# Altium PCB Aixcel_Tiny_Recon_Board.PcbDoc (part 1 of 2) (continued)
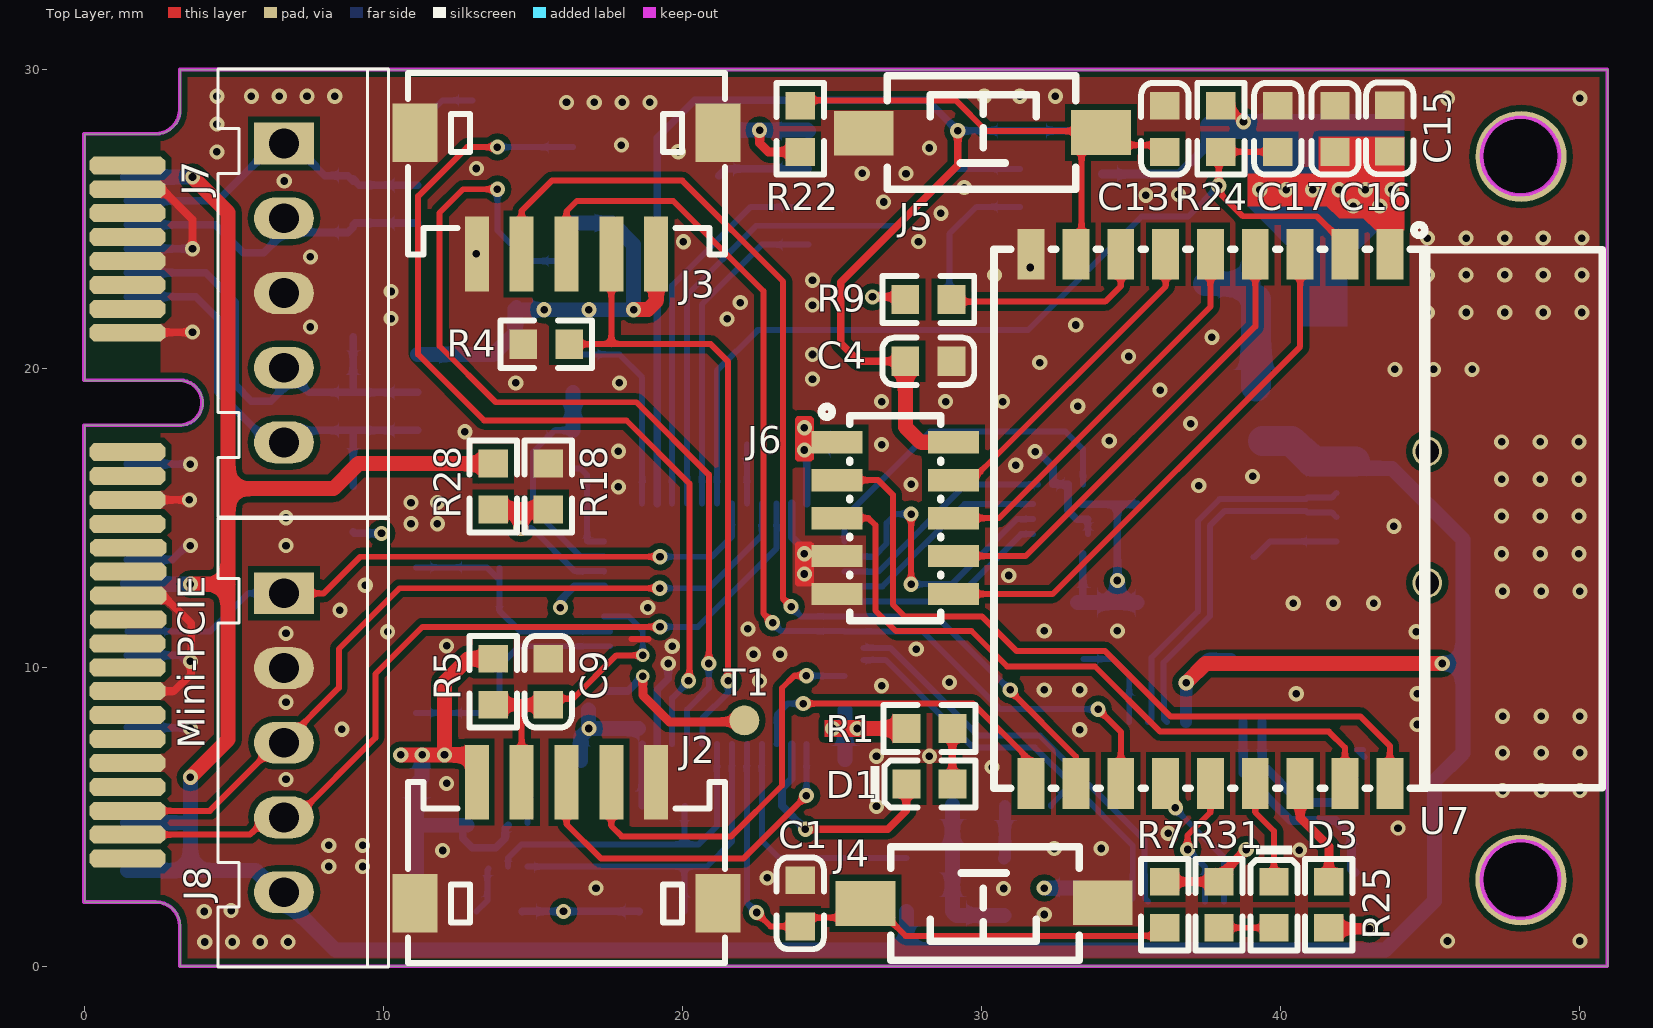
[diagram p0: Top Layer view]
## Components (designator, comment, footprint, x,y, rotation, side; value= is the part's Value field where it differs from the comment) (continued)
Y1 "8MHz" SMD-5032_2P 13.804,10.948 r90 bottom

## Footprints (in the part's own frame and the unit in brackets; to place one, negate y for a bottom-side part, rotate by r counter-clockwise, add the part's x,y. Pads: shape width x height; smd on the part's side, far side on the other; paste and mask are expansions set on the pad)
1.27mm_2_5排母 [mm]
  rect 0.75x1.7 smd: 1(-2.54,-2.006) 2(-2.54,1.894) 3(-1.27,-2.006) 4(-1.27,1.894) 5(0,-2.006) 6(0,1.894) 7(1.27,-2.006) 8(1.27,1.894) 9(2.54,-2.006) 10(2.54,1.894)
  silkscreen extent -3.74,-2.52 3.43,1.47, body extent -3.36,-2.36 3.37,2.14, height 2.17
2.54XH接插件5P [mm]
  rect 1.4x2 hole 1: 1(-5,0)
  oval 1.4x2 hole 1: 2(-2.5,0) 3(0,0) 4(2.5,0) 5(5,0)
  silkscreen extent -7.5,-2.2 7.5,3.5, body extent -7.5,-2.25 7.5,3.45, height 7
12MHz [mm]
  rect 1.9x2.4 smd: 1(-2.078,0.081) 2(2.022,0.081)
  silkscreen extent -3.35,-1.77 3.3,1.93
0603_C [mm]
  rect 0.93x0.98 smd: 1(-0.77,0) 2(0.77,0)
  silkscreen extent -1.53,-0.79 1.54,0.79, body extent -0.8,-0.4 0.8,0.4, height 0.3
0603_LED_S1 [mm]
  rect 0.93x0.98 smd: A(0.77,0) K(-0.77,0)
  silkscreen extent -1.97,-0.79 1.54,0.79, body extent -0.8,-0.4 0.8,0.4, height 0.6
0603_R [mm]
  rect 0.93x0.98 smd: 1(-0.77,0) 2(0.77,0)
  silkscreen extent -1.53,-0.79 1.54,0.79, body extent -0.85,-0.4 0.85,0.4, height 0.56
0805_L [mm]
  rect 1.16x1.47 smd: 1(-0.89,0) 2(0.89,0)
  silkscreen extent -1.77,-1.04 1.77,1.03, body extent -1,-0.64 1,0.64, height 0.6
CHECK-C [mm]
  round 1 smd: 1(0,0)
GD25Q127CSIG [mm]
  rect 1.65x0.65 smd: 1(-3.6,1.905) 2(-3.6,0.635) 3(-3.6,-0.635) 4(-3.6,-1.905) 5(3.6,-1.905) 6(3.6,-0.635) 7(3.6,0.635) 8(3.6,1.905)
  silkscreen extent -4.43,-2.62 2.42,2.62, body extent -3.95,-2.62 3.95,2.62, height 2.16
LGA-14(2.5X3X0.86) [mm]
  rect 0.475x0.25 smd: 1(-1.162,0.75) 2(-1.162,0.25) 3(-1.162,-0.25) 4(-1.162,-0.75) 8(1.162,-0.75) 9(1.162,-0.25) 10(1.162,0.25) 11(1.162,0.75)
  rect 0.25x0.475 smd: 5(-0.5,-0.913) 6(0,-0.913) 7(0.5,-0.913) 12(0.5,0.913) 13(0,0.913) 14(-0.5,0.913)
  silkscreen extent -1.93,0.95 -1.88,1.01
PCBComponent_1 [mm]
  oct 0.6x2.55 smd mask+0: 1(3.225,-2.168) 3(4.025,-2.168) 5(4.825,-2.168) 7(5.625,-2.168) 9(6.425,-2.168) 11(7.225,-2.168) 13(8.025,-2.168) 15(8.825,-2.168) 17(12.816,-2.168) 19(13.616,-2.168) 21(14.416,-2.168) 23(15.216,-2.168) 25(16.016,-2.143) 27(16.816,-2.143) 29(17.616,-2.143) 31(18.416,-2.143) 33(19.216,-2.168) 35(20.016,-2.168) 37(20.816,-2.168) 39(21.616,-2.168) 41(22.416,-2.168) 43(23.216,-2.168) 45(24.016,-2.168) 47(24.816,-2.168) 49(25.616,-2.168) 51(26.416,-2.168)
  oct 0.6x2.55 smd far side mask+0: 2(3.616,-2.168) 4(4.417,-2.168) 6(5.217,-2.168) 8(6.017,-2.168) 10(6.818,-2.168) 12(7.618,-2.168) 14(8.418,-2.168) 16(9.219,-2.168) 18(13.216,-2.168) 20(14.016,-2.168) 22(14.816,-2.168) 24(15.616,-2.168) 26(16.416,-2.168) 28(17.216,-2.168) 30(18.016,-2.168) 32(18.816,-2.168) 34(19.616,-2.168) 36(20.416,-2.168) 38(21.216,-2.168) 40(22.016,-2.168) 42(22.816,-2.168) 44(23.616,-2.168) 46(24.416,-2.168) 48(25.216,-2.168) 50(26.016,-2.168) 52(26.816,-2.168)
  Keep-Out Layer circle w0.127: c2.916,44.431 r1.3
  Keep-Out Layer circle w0.127: c27.116,44.431 r1.3
  Keep-Out Layer lines w0.127: 10.416,-3.619 10.416,-0.369 ; 10.375,-3.619 2.166,-3.619 2.166,-1.219 ccw(c1.366,-1.219) 1.366,-0.419 0.016,-0.419 0.016,47.331 30.016,47.331 30.016,-0.419 28.666,-0.419 ccw(c28.666,-1.219) 27.866,-1.219 27.866,-3.619 11.916,-3.619 11.916,-0.369 ; 11.916,-0.42 ccw(c11.166,-0.42) 10.416,-0.42 ; 27.116,47.331 15.016,47.331
SMD-5032_2P [mm]
  rect 1.9x2.4 smd: 1(-2.05,0) 2(2.05,0)
  silkscreen extent -3.32,-1.6 3.32,1.6
SOIC-8_150mil [mm]
  oval 0.7x1.8 smd: 1(-1.905,-2.6) 2(-0.635,-2.6) 3(0.635,-2.6) 4(1.905,-2.6) 5(1.905,2.6) 6(0.635,2.6) 7(-0.635,2.6) 8(-1.905,2.6)
  silkscreen extent -2.9,-3.05 2.4,1.4
SOT-23(SOT-23-3) [mm]
  rect 1.25x0.7 smd: 1(1.25,-0.95) 2(1.25,0.95) 3(-1.25,0)
  silkscreen extent -0.65,-1.46 0.9,1.46, body extent -1.5,-1.5 1.5,1.5, height 1.3
SOT-223 [mm]
  rect 2.2x1 smd: 1(3,-2.3) 2(3,0) 3(3,2.3)
  rect 2.2x3.5 smd: 2(-3,0)
  silkscreen extent -1.4,-3 1.4,3, body extent -3.49,-3.24 3.49,3.24, height 1.64
SPL06-001 [mm]
  rect 0.45x0.45 smd: 1(0.941,-0.741) 2(0.291,-0.741) 3(-0.359,-0.741) 4(-1.009,-0.741) 5(-1.009,0.709) 6(-0.359,0.709) 7(0.291,0.709) 8(0.941,0.709)
  silkscreen extent -1.33,-0.86 1.48,0.44
SSOP-16_L4.9-W3.9-P0.64-LS6.0-BL [mil]
  rect 16x71 smd: 1(-87.5,-118.11) 2(-62.5,-118.11) 3(-37.5,-118.11) 4(-12.5,-118.11) 5(12.5,-118.11) 6(37.5,-118.11) 7(62.5,-118.11) 8(87.5,-118.11) 9(87.5,118.11) 10(62.5,118.11) 11(37.5,118.11) 12(12.5,118.11) 13(-12.5,118.11) 14(-37.5,118.11) 15(-62.5,118.11) 16(-87.5,118.11)
  silkscreen extent -101,-183 100,73
STM-LQFP48_L [mm] "QFP, 48-Leads, Body 7x7mm, Pitch 0.5mm, IPC High Density"
  oval 1.55x0.25 smd: 1(-4.025,2.75) 2(-4.025,2.25) 3(-4.025,1.75) 4(-4.025,1.25) 5(-4.025,0.75) 6(-4.025,0.25) 7(-4.025,-0.25) 8(-4.025,-0.75) 9(-4.025,-1.25) 10(-4.025,-1.75) 11(-4.025,-2.25) 12(-4.025,-2.75) 25(4.025,-2.75) 26(4.025,-2.25) 27(4.025,-1.75) 28(4.025,-1.25) 29(4.025,-0.75) 30(4.025,-0.25) 31(4.025,0.25) 32(4.025,0.75) 33(4.025,1.25) 34(4.025,1.75) 35(4.025,2.25) 36(4.025,2.75)
  oval 0.25x1.55 smd: 13(-2.75,-4.025) 14(-2.25,-4.025) 15(-1.75,-4.025) 16(-1.25,-4.025) 17(-0.75,-4.025) 18(-0.25,-4.025) 19(0.25,-4.025) 20(0.75,-4.025) 21(1.25,-4.025) 22(1.75,-4.025) 23(2.25,-4.025) 24(2.75,-4.025) 37(2.75,4.025) 38(2.25,4.025) 39(1.75,4.025) 40(1.25,4.025) 41(0.75,4.025) 42(0.25,4.025) 43(-0.25,4.025) 44(-0.75,4.025) 45(-1.25,4.025) 46(-1.75,4.025) 47(-2.25,4.025) 48(-2.75,4.025)
  silkscreen extent -4.15,-2.85 2.85,3.55, body extent -3.5,-3.5 3.5,3.5, height 1.6
"TSW SMD-3*6*2.5" [mm] "3*6*2.5mm"
  rect 2x1.5 smd: 1(-3.996,-0.02) 2(3.937,0)
  silkscreen extent -3.21,-1.9 3.09,1.9, body extent -4,-1.88 4,1.62, height 2.59
USB-MINI贴片 [mm]
  rect 2x2 smd: 0(-4.746,-1.872) 0(-4.746,3.612)
  round 1 hole 0.8: 0(-2.2,1.128) 0(2.2,1.128)
  rect 2x2.032 smd: 0(4.746,-1.872) 0(4.746,3.628)
  rect 0.52x2 smd: 1(-1.626,4.166) 2(-0.813,4.166) 3(0,4.166) 4(0.813,4.166) 5(1.626,4.166)
  silkscreen extent -3.5,-4.87 3.5,5.38, body extent -4.75,-4.87 4.75,4.83, height 3.95
WIFIM-SMD_19P-L18.0-W20.0-P1.50 [mm]
  rect 1.7x0.9 smd: 1(-8.85,6) 2(-8.85,4.5) 3(-8.85,3) 4(-8.85,1.5) 5(-8.85,0) 6(-8.85,-1.5) 7(-8.85,-3) 8(-8.85,-4.5) 9(-8.85,-6) 10(8.85,-6) 11(8.85,-4.5) 12(8.85,-3) 13(8.85,-1.5) 14(8.85,0) 15(8.85,1.5) 16(8.85,3) 17(8.85,4.5) 18(8.85,6)
  silkscreen extent -9.84,-7.24 9.01,13.1
ZH1.5-WS-5P [mm] "长：10.6mm，宽：6.0mm，高：3.7mm"
  rect 1.5x1.95 smd: 0(-5.068,0) 0(5.068,0)
  rect 0.8x2.5 smd: 1(-3,4.05) 2(-1.5,4.05) 3(0,4.05) 4(1.5,4.05) 5(3,4.05)
  silkscreen extent -5.3,-2 5.3,4.06, body extent -5.3,-2 5.3,4.6, height 3.75

## Part data
C1 C2 C3 C9 C11 C13 C14 C16 C18 C20 C21: library part "0603 100nF (104) 10% 50V", "贴片电容", Package=0603, SuppliersPartNumber=C14663, ComponentLink1Description=供应商, ComponentLink1URL=http://www.szlcsc.com/product/details_15331.html, Supplier=LC
C4 C8 C10: library part "0603 20pF (200) 5% 50V", "贴片电容", Package=0603, SuppliersPartNumber=C1648, ComponentLink1Description=供应商, ComponentLink1URL=http://www.szlcsc.com/product/details_2000.html, Supplier=LC
C5 C12 C15 C19: library part "0603 10uF (106) 10% 10V", "贴片电容", Package=0603, SuppliersPartNumber=C19702, ComponentLink1Description=供应商, ComponentLink1URL=http://www.szlcsc.com/product/details_20411.html, Supplier=LC
C6: library part "0603 4.7uF (475) 10% 16V", "贴片电容", Package=0603, SuppliersPartNumber=C19666, ComponentLink1Description=供应商, ComponentLink1URL=http://www.szlcsc.com/product/details_20375.html, Supplier=LC
C7 C17: library part "0603 1uF (105) 10% 50V", "贴片电容", Package=0603, SuppliersPartNumber=C15849, ComponentLink1Description=供应商, ComponentLink1URL=http://www.szlcsc.com/product/details_16531.html, Supplier=LC
D1: library part "0603 黄灯", "发光二极管", Package=0603, SuppliersPartNumber=C72038, ComponentLink1Description=供应商, ComponentLink1URL=http://www.szlcsc.com/product/details_73147.html, Supplier=LC
D3: library part "0603 绿灯", "发光二极管", Package=0603, SuppliersPartNumber=C72043, ComponentLink1Description=供应商, ComponentLink1URL=http://www.szlcsc.com/product/details_73152.html, Supplier=LC
FB1: library part "0805 100Ω 25% 100MHz", "贴片磁珠", Package=0805, SuppliersPartNumber=C1015, ComponentLink1Description=供应商, ComponentLink1URL=http://www.szlcsc.com/product/details_1367.html, Supplier=LC
IC1: "Integrated Circuit", Manufacturer_Name=STMicroelectronics, Mouser2 Part Number=511-ASM330LHHTR, Datasheet Link=https://www.st.com/resource/en/datasheet/asm330lhh.pdf, Manufacturer_Part_Number=ASM330LHHTR, Mouser2 Price/Stock=https://www.mouser.com/Search/Refine.aspx?Keyword=511-ASM330LHHTR
J2 J3 J7 J8: library part SIP-5
J6: BOM_JLCPCB Part Class="Extended Part", BOM_Manufacturer=BOOMELE, BOM_Manufacturer Part="1.27mmFemale header2*5", BOM_Supplier=LCSC, BOM_Supplier Part=C59983, spicePre=H, spiceSymbolName="1.27mmFemale header2*5"
Q1: library part "SOT-23 MMBT5551  G1", "三极管", Package=SOT-23, SuppliersPartNumber=C2145, ComponentLink1Description=供应商, ComponentLink1URL=http://www.szlcsc.com/product/details_2502.html, Supplier=LC
R1 R31: library part "0603 5.1KΩ (5101) 1%", "贴片电阻", Package=0603, SuppliersPartNumber=C23186, ComponentLink1Description=供应商, ComponentLink1URL=http://www.szlcsc.com/product/details_23913.html, Supplier=LC
R2 R30: library part "0603 100KΩ (1003) 1%", "贴片电阻", Package=0603, SuppliersPartNumber=C25803, ComponentLink1Description=供应商, ComponentLink1URL=http://www.szlcsc.com/product/details_26546.html, Supplier=LC
R3 R4 R5 R9 R10 R11 R17 R19 R20 R21 R24 R25 R29: library part "0603 10KΩ (1002) 1%", "贴片电阻", Package=0603, SuppliersPartNumber=C25804, ComponentLink1Description=供应商, ComponentLink1URL=http://www.szlcsc.com/product/details_26547.html, Supplier=LC
R6 R7 R22 R26 R27: library part "0603 4.7KΩ (4701) 1%", "贴片电阻", Package=0603, SuppliersPartNumber=C23162, ComponentLink1Description=供应商, ComponentLink1URL=http://www.szlcsc.com/product/details_23889.html, Supplier=LC
R8 R13: library part "0603 120Ω (1200) 1%", "贴片电阻", Package=0603, SuppliersPartNumber=C22787, ComponentLink1Description=供应商, ComponentLink1URL=http://www.szlcsc.com/product/details_23514.html, Supplier=LC
R12: library part "0603 100Ω (1000) 1%", "贴片电阻", Package=0603, SuppliersPartNumber=C22775, ComponentLink1Description=供应商, ComponentLink1URL=http://www.szlcsc.com/product/details_23502.html, Supplier=LC
R14: library part "0603 1.5KΩ (1501) 1%", "贴片电阻", Package=0603, SuppliersPartNumber=C22843, ComponentLink1Description=供应商, ComponentLink1URL=http://www.szlcsc.com/product/details_23570.html, Supplier=LC
R15: library part "0603 36KΩ (3602) 1%", "贴片电阻", Package=0603, SuppliersPartNumber=C23147, ComponentLink1Description=供应商, ComponentLink1URL=http://www.szlcsc.com/product/details_23874.html, Supplier=LC
R16: library part "0603 2.7KΩ (2701) 1%", "贴片电阻", Package=0603, SuppliersPartNumber=C13167, ComponentLink1Description=供应商, ComponentLink1URL=http://www.szlcsc.com/product/details_13814.html, Supplier=LC
R18: library part "0603 1MΩ (1004) 1%", "贴片电阻", Package=0603, SuppliersPartNumber=C22935, ComponentLink1Description=供应商, ComponentLink1URL=http://www.szlcsc.com/product/details_23662.html, Supplier=LC
R28: library part "0603 2MΩ (2004) 1%", "贴片电阻", Package=0603, SuppliersPartNumber=C22976, ComponentLink1Description=供应商, ComponentLink1URL=http://www.szlcsc.com/product/details_23703.html, Supplier=LC
T1: "测试点"
U1: library part "SOT-223 AMS1117-3.3", "低压差线性稳压(LDO)", Package=SOT-223, SuppliersPartNumber=C6186, ComponentLink1Description=供应商, ComponentLink1URL=http://www.szlcsc.com/product/details_6652.html, Supplier=LC
U2: "ARM Cortex-M4 32-bit MCU, 128 KB Flash, 32 KB Internal RAM, 37 I/Os, 48-pin LQFP, -40 to 85 degC, Tray", I/Os (High Current)=37, Operating Frequency(F) (Processor speed) (MHz)=72, Supplier Part Number 1=STM32F303CBT6-ND, Supply Voltage(Vcc) min (V)=2, ComponentLink1Description="Manufacturer URL", ComponentLink1URL=http://www.st.com/web/en/home.html, ComponentLink2Description=Datasheet, ComponentLink2URL=http://www.st.com/st-web-ui/static/active/en/resource/technical/document/datasheet/DM00058181.pdf, ComponentLink3Description="Package Specification", ComponentLink3URL=http://www.st.com/st-web-ui/static/active/en/resource/technical/document/datasheet/DM00058181.pdf, Core="ARM Cortex-M4", D/A Converter="2x12-bit (2 Channel)", DatasheetVersion="Rev. 6", FLASH Size (Prog) (kB)=128, Internal RAM Size (kB)=32, Mounting Technology="Surface Mount", PackageDescription="48-Pin Low Profile Quad Flat Package, 7 x 7 mm Body, 0.5 mm Pitch", PackageReference=LQFP48, PackageVersion="Rev. 6, 06/2013", Packing=Tray, PartNumber=STM32F303CBT6, Supplier 1=Digi-Key, Supplier 2=Newark, Supplier 3=Newark, Supplier Part Number 2=99W9871, Supplier Part Number 3=66W7285
U3: library part CAN/SN65HVD230DR_[C12084], "CAN", Package=SOIC-8_150mil, SuppliersPartNumber=C12084, ComponentLink1Description=供应商, ComponentLink1URL=http://www.szlcsc.com/product/details_12661.html, Supplier=LC
U4: BOM_LCSC Assembly=Yes, BOM_Supplier=zhqsoft, Contributor=Ë½ÓÐ¹, SMT Type=Extend, spicePre=U, spiceSymbolName=FE8.1
U5: library part SP485EEN-L/TR_[C6855], "RS-485/RS-422", Package=SOIC-8, SuppliersPartNumber=C6855, ComponentLink1Description=供应商, ComponentLink1URL=http://www.szlcsc.com/product/details_7327.html, Supplier=LC
U6: BOM_Manufacturer=GigaDevice, BOM_Manufacturer Part=GD25Q127CSIG, BOM_Paste Type=expand, BOM_Supplier=LCSC, BOM_Supplier Part=C79079, spicePre=U, spiceSymbolName=GD25Q127CSIG
U7: library part ESP-C3-WROOM-02, BOM_JLCPCB Part Class="Extended Part", BOM_Manufacturer="Espressif Systems", BOM_Manufacturer Part=ESP-WROOM-02D(4MB), BOM_Supplier=LCSC, BOM_Supplier Part=C529584, Contributor=LCSC, spicePre=U, spiceSymbolName=ESP-WROOM-02D(4MB)
U8: BOM_JLCPCB Part Class="Extended Part", BOM_Manufacturer=Goertek(歌尔, BOM_Manufacturer Part=SPL06-001, BOM_Supplier=LCSC, BOM_Supplier Part=C2684428, Contributor=LCSC, spicePre=U, spiceSymbolName=SPL06-001
X1: BOM_JLCPCB Part Class="Extended Part", BOM_Manufacturer=YXC, BOM_Manufacturer Part=X503212MSD2GC, BOM_Supplier=LCSC, BOM_Supplier Part=C33728, nameAlias=Frequency, spicePre=X, spiceSymbolName=X503212MSD2GC
Y1: library part "SMD-5032_2P 8MHz 20ppm 20pF", "贴片晶振", Package=SMD-5032_2P, SuppliersPartNumber=C115962, ComponentLink1Description=供应商, ComponentLink1URL=http://www.szlcsc.com/product/details_117214.html, Supplier=LC

## Free pads (board coordinates)
  round 3.048 hole 2.54: 0(48.047,27.089) 1(48.038,2.889)

## Via types
v1: diameter 0.508, hole 0.254, Top Layer to Bottom Layer, tented both sides, 238 vias
v2: diameter 0.45, hole 0.25, Top Layer to Bottom Layer, tented both sides, 2 vias
v3: diameter 0.508, hole 0.25, Top Layer to Bottom Layer, tented both sides, 1 vias

## Nets (pads, with @x,y where several pads share a name; then routed paths per layer and width w, separated by ;. In a path a pad name is that pad's centre, name@x,y a point inside that pad or via, vN(x,y) a via of type N, cw(c..) or ccw(c..) an arc to the next point about the centre after c; other vN are vias at no path point)
BOOT0: J3.2 R4.1 U2.44 | length 21.8
  Top Layer w0.2: R4.1@16.206,20.808 16.21,20.812 17.616,20.812 ; J3.2@17.616,23.854 J3.2@17.616,23.83 17.616,20.812 ; v1(21.522,9.554) 21.522,20.23 20.94,20.812 17.616,20.812
  Bottom Layer w0.2: U2.44@20.648,7.433 20.657,7.442 20.657,8.294 21.522,9.159 v1(21.522,9.554)
CAN_H: J7.1 Mini-PCIE.4 R8.2 U3.7 | length 11.1
  Bottom Layer w0.254: Mini-PCIE.4@1.428,25.604 4.444,25.604 6.364,27.524 J7.1@6.664,27.524 6.964,27.524 8.036,26.452 8.794,26.452 R8.2@8.976,26.27 ; R8.2@8.976,26.338 9.179,26.135 U3.7@11.136,26.135
CAN_L: J7.2 Mini-PCIE.6 R8.1 U3.6 | length 11.2
  Bottom Layer w0.254: Mini-PCIE.6@1.428,24.803 4.369,24.803 5.304,23.868 5.985,23.868 6.46,24.343 6.46,24.82 J7.2@6.664,25.024 7.14,24.548 8.794,24.548 R8.1@8.976,24.73 ; R8.1@8.976,24.798 9.043,24.865 U3.6@11.136,24.865
CAN_RX: U2.45 U3.4 | length 31.2
  Top Layer w0.2: v1(13.804,25.995) 12.655,25.995 11.866,25.206 11.866,20.751 13.747,18.87 18.455,18.87 20.876,16.449 v1(20.876,10.132)
  Bottom Layer w0.2: v1(13.804,25.995) 13.804,24.616 14.825,23.595 U3.4@16.336,23.595 ; U2.45@20.128,7.453 U2.45@20.148,7.433 20.148,8.588 20.876,9.316 v1(20.876,10.132)
CAN_TX: U2.46 U3.1 | length 31
  Top Layer w0.2: v1(13.804,27.405) 12.794,27.405 11.152,25.763 11.152,20.468 13.362,18.258 18.122,18.258 20.23,16.15 v1@20.23,9.554
  Bottom Layer w0.2: v1(13.804,27.405) U3.1@16.336,27.405 ; U2.46@19.652,7.437 U2.46@19.648,7.433 19.648,8.972 v1@20.23,9.554
  other v1: 20.196,9.554
ESP32_BOOT: C13.2 J5.2 R22.1 U7.8 | length 17.5
  Top Layer w0.2: R22.1@23.936,28.786 24.118,28.968 29.137,28.968 30.164,27.941 J5.2@33.942,27.941 ; U7.8@33.156,23.82 33.343,24.007 33.343,27.342 J5.2@33.942,27.941 ; J5.2@33.993,27.89 J5.2@33.942,27.941 ; C13.2@36.13,27.246 35.904,27.472 34.513,27.472 33.993,27.992 J5.2@33.942,27.941
ESP32_EN: C17.1 R24.1 U2.18 U7.2 | length 32.5
  Top Layer w0.2: C17.1@39.916,27.102 39.772,27.246 R24.1@38.004,27.246 37.936,27.246 37.944,27.238 37.936,27.23 v1(37.936,26.112) 37.936,25.897 38.741,25.092 41.216,25.092 41.853,24.455 41.853,24.123 U7.2@42.156,23.82
  Bottom Layer w0.2: U2.18@21.148,15.483 21.148,19.924 22.508,21.284 31.552,21.284 35.348,25.08 36.904,25.08 v1(37.936,26.112)
ESP32_FS_N: U4.3 U7.13 | length 4.8
  Top Layer w0.2: U7.13@36.156,6.12 36.176,6.1 36.482,5.794 v1(36.482,5.304)
  Bottom Layer w0.2: v1(36.482,5.304) 36.482,5.26 36.846,4.896 38.114,3.627 U4.3@38.114,2.168
ESP32_FS_P: U4.4 U7.14 | length 4.5
  Top Layer w0.2: v1(36.89,3.91) 36.89,4.385 37.656,5.151 U7.14@37.656,6.12
  Bottom Layer w0.2: v1(36.89,3.91) 37.479,3.321 U4.4@37.479,2.168
ESP32_IO0: J6.3 U7.18 | length 25.6
  Top Layer w0.2: J6.3@25.16,16.266 26.54,16.266 27.03,15.776 27.03,12.104 27.438,11.696 30.022,11.696 31.165,10.553 34.123,10.553 36.312,8.364 42.67,8.364 43.656,7.378 U7.18@43.656,6.12
ESP32_IO1: J6.5 U7.17 | length 23
  Top Layer w0.2: J6.5@25.16,14.996 26.212,14.996 26.452,14.756 26.452,11.9 27.132,11.22 29.665,11.22 30.855,10.03 33.796,10.03 35.972,7.854 41.616,7.854 42.156,7.314 U7.17@42.156,6.12
ESP32_LED: D3.K U7.15 | length 3.5
  Top Layer w0.2: U7.15@39.156,6.12 39.156,5.146 39.78,4.522 D3.K@39.78,2.832
ESP32_RX: J3.4 U2.30 U7.11 | length 35.6
  Top Layer w0.2: J3.4@14.616,23.83 14.616,25.27 15.628,26.282 19.992,26.282 23.358,22.916 23.358,12.308 v1(23.63,12.036) ; v1(30.961,9.248) 30.927,9.248 33.156,7.019 U7.11@33.156,6.12
  Bottom Layer w0.2: v1(23.63,12.036) 23.958,11.708 U2.30@25.423,11.708 28.481,11.708 30.941,9.248 v1(30.961,9.248)
ESP32_TCK: J6.6 U7.5 | length 13.3
  Top Layer w0.2: J6.6@29.06,14.996 30.582,14.996 37.656,22.07 U7.5@37.656,23.82
ESP32_TDI: J6.8 U7.4 | length 15.7
  Top Layer w0.2: J6.8@29.06,13.726 31.474,13.726 39.156,21.408 U7.4@39.156,23.82
ESP32_TDO: J6.4 U7.6 | length 10.9
  Top Layer w0.2: J6.4@29.07,16.184 29.597,16.184 36.156,22.743 U7.6@36.156,23.82
ESP32_TMS: J6.10 U7.3 | length 18.1
  Top Layer w0.2: J6.10@29.06,12.456 32.38,12.456 40.656,20.732 U7.3@40.656,23.82
ESP32_TX: J3.3 U2.31 U7.12 | length 34.6
  Top Layer w0.2: J3.3@16.116,24.718 16.116,25.253 16.465,25.602 19.687,25.602 22.704,22.585 22.704,11.798 v1(23.01,11.492) ; v1(33.898,8.602) 34.656,7.844 U7.12@34.656,6.12
  Bottom Layer w0.2: v1(23.01,11.492) 23.288,11.214 25.417,11.214 U2.31@25.423,11.208 28.022,11.208 30.628,8.602 v1(33.898,8.602)
GND: C1.1 C2.2 C3.2 C4.2 C5.1 C6.1 C7.2 C8.1 C9.2 C10.1 C11.2 C12.2 C13.1 C14.2 C15.2 C16.2 C17.2 C18.2 C19.2 C20.1 C21.1 IC1.2 IC1.3 IC1.6 IC1.7 J1.0@42.408,10.282 J1.0@42.424,19.774 J1.0@47.908,10.282 J1.0@47.908,19.774 J1.5 J2.0 J2.5 J3.0 J3.5 J4.1 J5.1 J6.7 J6.9 J7.3 J8.2 Mini-PCIE.3 Mini-PCIE.8 Mini-PCIE.9 Mini-PCIE.15 Mini-PCIE.18 Mini-PCIE.21 Mini-PCIE.26 Mini-PCIE.29 Mini-PCIE.34 Mini-PCIE.37 Mini-PCIE.40 Mini-PCIE.43 R2.1 R3.1 R4.2 R6.1 R11.2 R15.1 R16.2 R18.1 R30.1 U1.1 U2.8 U2.23 U2.35 U2.47 U3.2 U4.14 U5.5 U6.4 U7.9 U8.1 U8.7 | length 33.8
  Top Layer w0.2: 18.292,10.948 18.855,10.948
  Top Layer w0.254: Mini-PCIE.37@1.428,9.204 2.983,9.204 3.557,9.777 3.557,11.471 2.624,12.404 Mini-PCIE.29@1.453,12.404 ; Mini-PCIE.15@1.428,21.195 1.438,21.206 3.458,21.206 v1@3.468,21.216 ; Mini-PCIE.3@1.428,25.995 2.592,25.995 3.604,24.983 v1(3.604,24.004) ; Mini-PCIE.21@1.483,15.659 Mini-PCIE.21@1.428,15.604 v1(3.502,15.604)
  Bottom Layer w0.2: IC1.7@33.553,14.46 IC1.6@33.553,14.96
  Bottom Layer w0.254: Mini-PCIE.40@1.428,8.004 1.452,7.98 3.376,7.98 v1@3.4,7.956 ; Mini-PCIE.34@1.428,10.404 3.196,10.404 v1@3.4,10.2 ; Mini-PCIE.26@1.428,13.604 2.928,13.604 v1@3.4,14.076 ; Mini-PCIE.18@1.428,16.804 1.432,16.8 3.396,16.8 v1@3.4,16.796 ; Mini-PCIE.8@1.428,24.003 v1@3.468,24.004 ; U2.47@19.148,7.433 19.146,7.435 19.146,9.252 19.516,9.622 v1@19.516,10.234 ; U2.23@23.648,15.483 23.65,15.481 23.65,14.362 v1@24.072,13.94 ; v1@31.837,17.267 32.39,16.714 IC1.2@32.39,16.123 IC1.3@32.89,16.123 32.89,15.261 33.191,14.96 IC1.6@33.553,14.96
  other v1: 4.012,0.816 4.941,0.816 5.871,0.816 6.8,0.816 45.584,0.85 50.014,0.85 32.096,1.734 3.998,1.836 4.896,1.87 30.736,2.605 17.102,2.618 22.833,2.958 8.16,3.339 9.293,3.339 11.97,3.876 40.63,3.89 32.433,3.944 34.006,3.944 8.16,4.046 9.293,4.046 36.244,4.454 43.928,4.624 26.486,5.351 47.43,5.882 48.722,5.882 50.014,5.882 12.104,6.12 6.732,6.256 30.351,6.664 26.486,7.026 28.254,7.026 47.43,7.14 48.722,7.14 50.014,7.14 33.286,7.912 8.602,7.934 3.536,7.956 44.574,8.092 47.43,8.37 48.722,8.37 50.014,8.37 6.732,8.835 40.528,9.118 44.574,9.118 32.096,9.248 33.286,9.248 26.656,9.384 28.922,9.498 22.576,9.541 19.516,10.132 3.536,10.2 22.372,10.438 23.256,10.438 27.812,10.611 19.652,10.71 12.104,10.719 6.732,11.14 10.132,11.191 44.54,11.191 32.096,11.22 34.544,11.22 22.184,11.288 8.534,11.912 18.836,12.002 40.426,12.146 41.769,12.146 43.112,12.146 47.43,12.546 48.722,12.546 50.014,12.546 9.384,12.75 30.906,13.076 24.072,13.124 24.072,13.804 47.396,13.804 48.688,13.804 49.98,13.804 3.536,14.076 6.732,14.076 43.792,14.722 10.914,14.804 11.798,14.804 6.732,15.005 47.396,15.062 48.688,15.062 49.98,15.062 10.914,15.515 11.798,15.515 17.85,16.038 37.264,16.082 27.642,16.123 47.396,16.292 48.688,16.292 49.98,16.292 39.066,16.388 31.144,16.762 3.536,16.796 31.79,17.22 17.85,17.228 26.656,17.454 47.396,17.544 48.688,17.544 49.98,17.544 34.272,17.578 12.718,17.884 36.992,18.156 33.218,18.734 26.656,18.891 28.798,18.891 30.702,18.891 35.972,19.278 14.416,19.516 17.884,19.516 24.344,19.646 43.826,19.969 45.118,19.969 46.41,19.969 31.943,20.196 34.918,20.4 24.344,20.468 37.706,21.046 3.604,21.216 7.548,21.386 33.15,21.454 21.488,21.658 10.247,21.668 44.914,21.873 46.206,21.873 47.498,21.873 48.79,21.873 50.082,21.873 24.344,22.12 21.93,22.202 10.247,22.576 24.344,22.95 30.43,23.131 44.914,23.131 46.206,23.131 47.498,23.131 48.79,23.131 50.082,23.131 31.622,23.379 7.548,23.732 13.102,23.834 20.026,24.238 27.89,24.242 44.914,24.361 46.206,24.361 47.498,24.361 48.79,24.361 50.082,24.361 28.638,25.194 26.724,25.568 35.496,25.795 36.584,25.818 29.42,26.05 6.676,26.27 26.01,26.524 27.472,26.52 13.102,26.69 4.42,27.245 19.856,27.248 28.254,27.376 17.952,27.472 4.42,28.175 16.116,28.9 17.045,28.9 17.975,28.9 18.904,28.9 45.584,29.036 50.014,29.036 4.42,29.104 5.576,29.104 6.505,29.104 7.435,29.104 8.364,29.104 30.09,29.104 31.28,29.104 32.47,29.104
I2C_SCL: R27.2 U2.42 U8.4 | length 11.9
  Bottom Layer w0.2: U8.4@14.813,3.339 20.06,3.339 ; R27.2@20.06,1.836 20.06,3.339 ; U2.42@21.648,7.433 21.648,4.172 20.815,3.339 20.06,3.339
I2C_SDA: R26.1 U2.43 U8.3 | length 11.8
  Bottom Layer w0.2: U8.3@14.163,3.339 14.163,3.629 14.614,4.08 20.06,4.08 ; R26.1@20.082,5.372 20.06,5.35 20.06,4.08 ; U2.43@21.148,7.433 21.148,4.692 20.536,4.08 20.06,4.08
IMU_INT1: IC1.4 U2.25 | length 11.4
  Bottom Layer w0.2: U2.25@25.423,14.208 25.423,15.025 28.281,17.884 32.808,17.884 33.39,17.302 IC1.4@33.39,16.123
M485_A: J7.5 Mini-PCIE.12 R13.1 R17.2 U5.6 | length 14.7
  Bottom Layer w0.254: Mini-PCIE.12@1.428,22.402 3.71,22.402 4.444,21.668 4.444,19.22 5.984,17.68 J7.5@6.392,17.68 ; J7.5@6.664,17.524 7.069,17.929 U5.6@11.136,17.929 ; R17.2@8.976,16.07 R13.1@8.976,17.794
M485_B: J7.4 Mini-PCIE.10 R11.1 R13.2 U5.7 | length 15.5
  Bottom Layer w0.254: Mini-PCIE.10@1.428,23.203 4.041,23.203 5.032,22.212 5.032,19.448 5.576,18.904 6.222,18.904 J7.4@6.755,19.437 ; J7.4@6.664,20.024 7.489,19.199 U5.7@11.136,19.199 ; R13.2@8.976,19.334 R11.1@8.976,21.058
M485_DE: U2.11 U5.2 U5.3 | length 7.9
  Bottom Layer w0.2: U5.3@16.336,17.929 15.719,17.929 14.994,17.204 14.994,15.3 16.586,13.708 U2.11@17.373,13.708
  Bottom Layer w0.5: U5.3@16.336,17.929 U5.2@16.336,19.199
MCU_FS_N: U2.32 U4.7 | length 14.2
  Bottom Layer w0.2: U2.32@26.055,10.653 26.951,10.653 29.886,7.718 31.956,7.718 35.457,4.217 35.457,3.087 35.471,3.073 35.471,2.271 U4.7@35.574,2.168
MCU_FS_P: R14.1 U2.33 U4.8 | length 14.5
  Bottom Layer w0.2: U2.33@26.055,10.253 26.785,10.253 29.72,7.318 31.784,7.318 33.014,6.089 ; R14.1@32.322,5.372 32.322,5.397 33.014,6.089 ; U4.8@34.939,2.168 35.043,2.271 35.043,3.073 35.057,3.087 35.057,4.045 33.014,6.089
MCU_FUNC: C1.2 J4.2 R7.1 U2.41 | length 20.5
  Top Layer w0.2: v1(22.474,1.802) 22.938,1.338 C1.2@23.936,1.338 24.23,1.632 25.643,1.632 J4.2@26.119,2.108 26.369,2.108 27.457,1.02 35.858,1.02 R7.1@36.13,1.292
  Bottom Layer w0.2: U2.41@22.148,7.433 22.148,2.128 v1(22.474,1.802)
MCU_PB1: J8.1 Mini-PCIE.32 U2.19 | length 22.8
  Top Layer w0.2: J8.1@6.664,12.48 7.993,12.48 9.214,13.702 v1(19.244,13.702) v1@19.38,13.702
  Bottom Layer w0.2: Mini-PCIE.32@1.428,11.204 1.432,11.208 4.204,11.208 5.476,12.48 J8.1@6.664,12.48 ; v1(19.244,13.702) 20.978,13.702 21.648,14.372 U2.19@21.648,15.483